# Altium PCB EDA-03518-V3-0_pcb.pcbdoc (part 10 of 14)
Units mm, origin at the board's own origin, x right, y up, seen from the top; angles counter-clockwise.
Board outline 220 x 230 mm, 8 copper layers (Top Layer, L2P, L3, L4P, L5P, L6, L7P, Bottom Layer), stack 2.18 mm thick; 1190 components, 1445 nets, 5955 pads, 2149 vias.
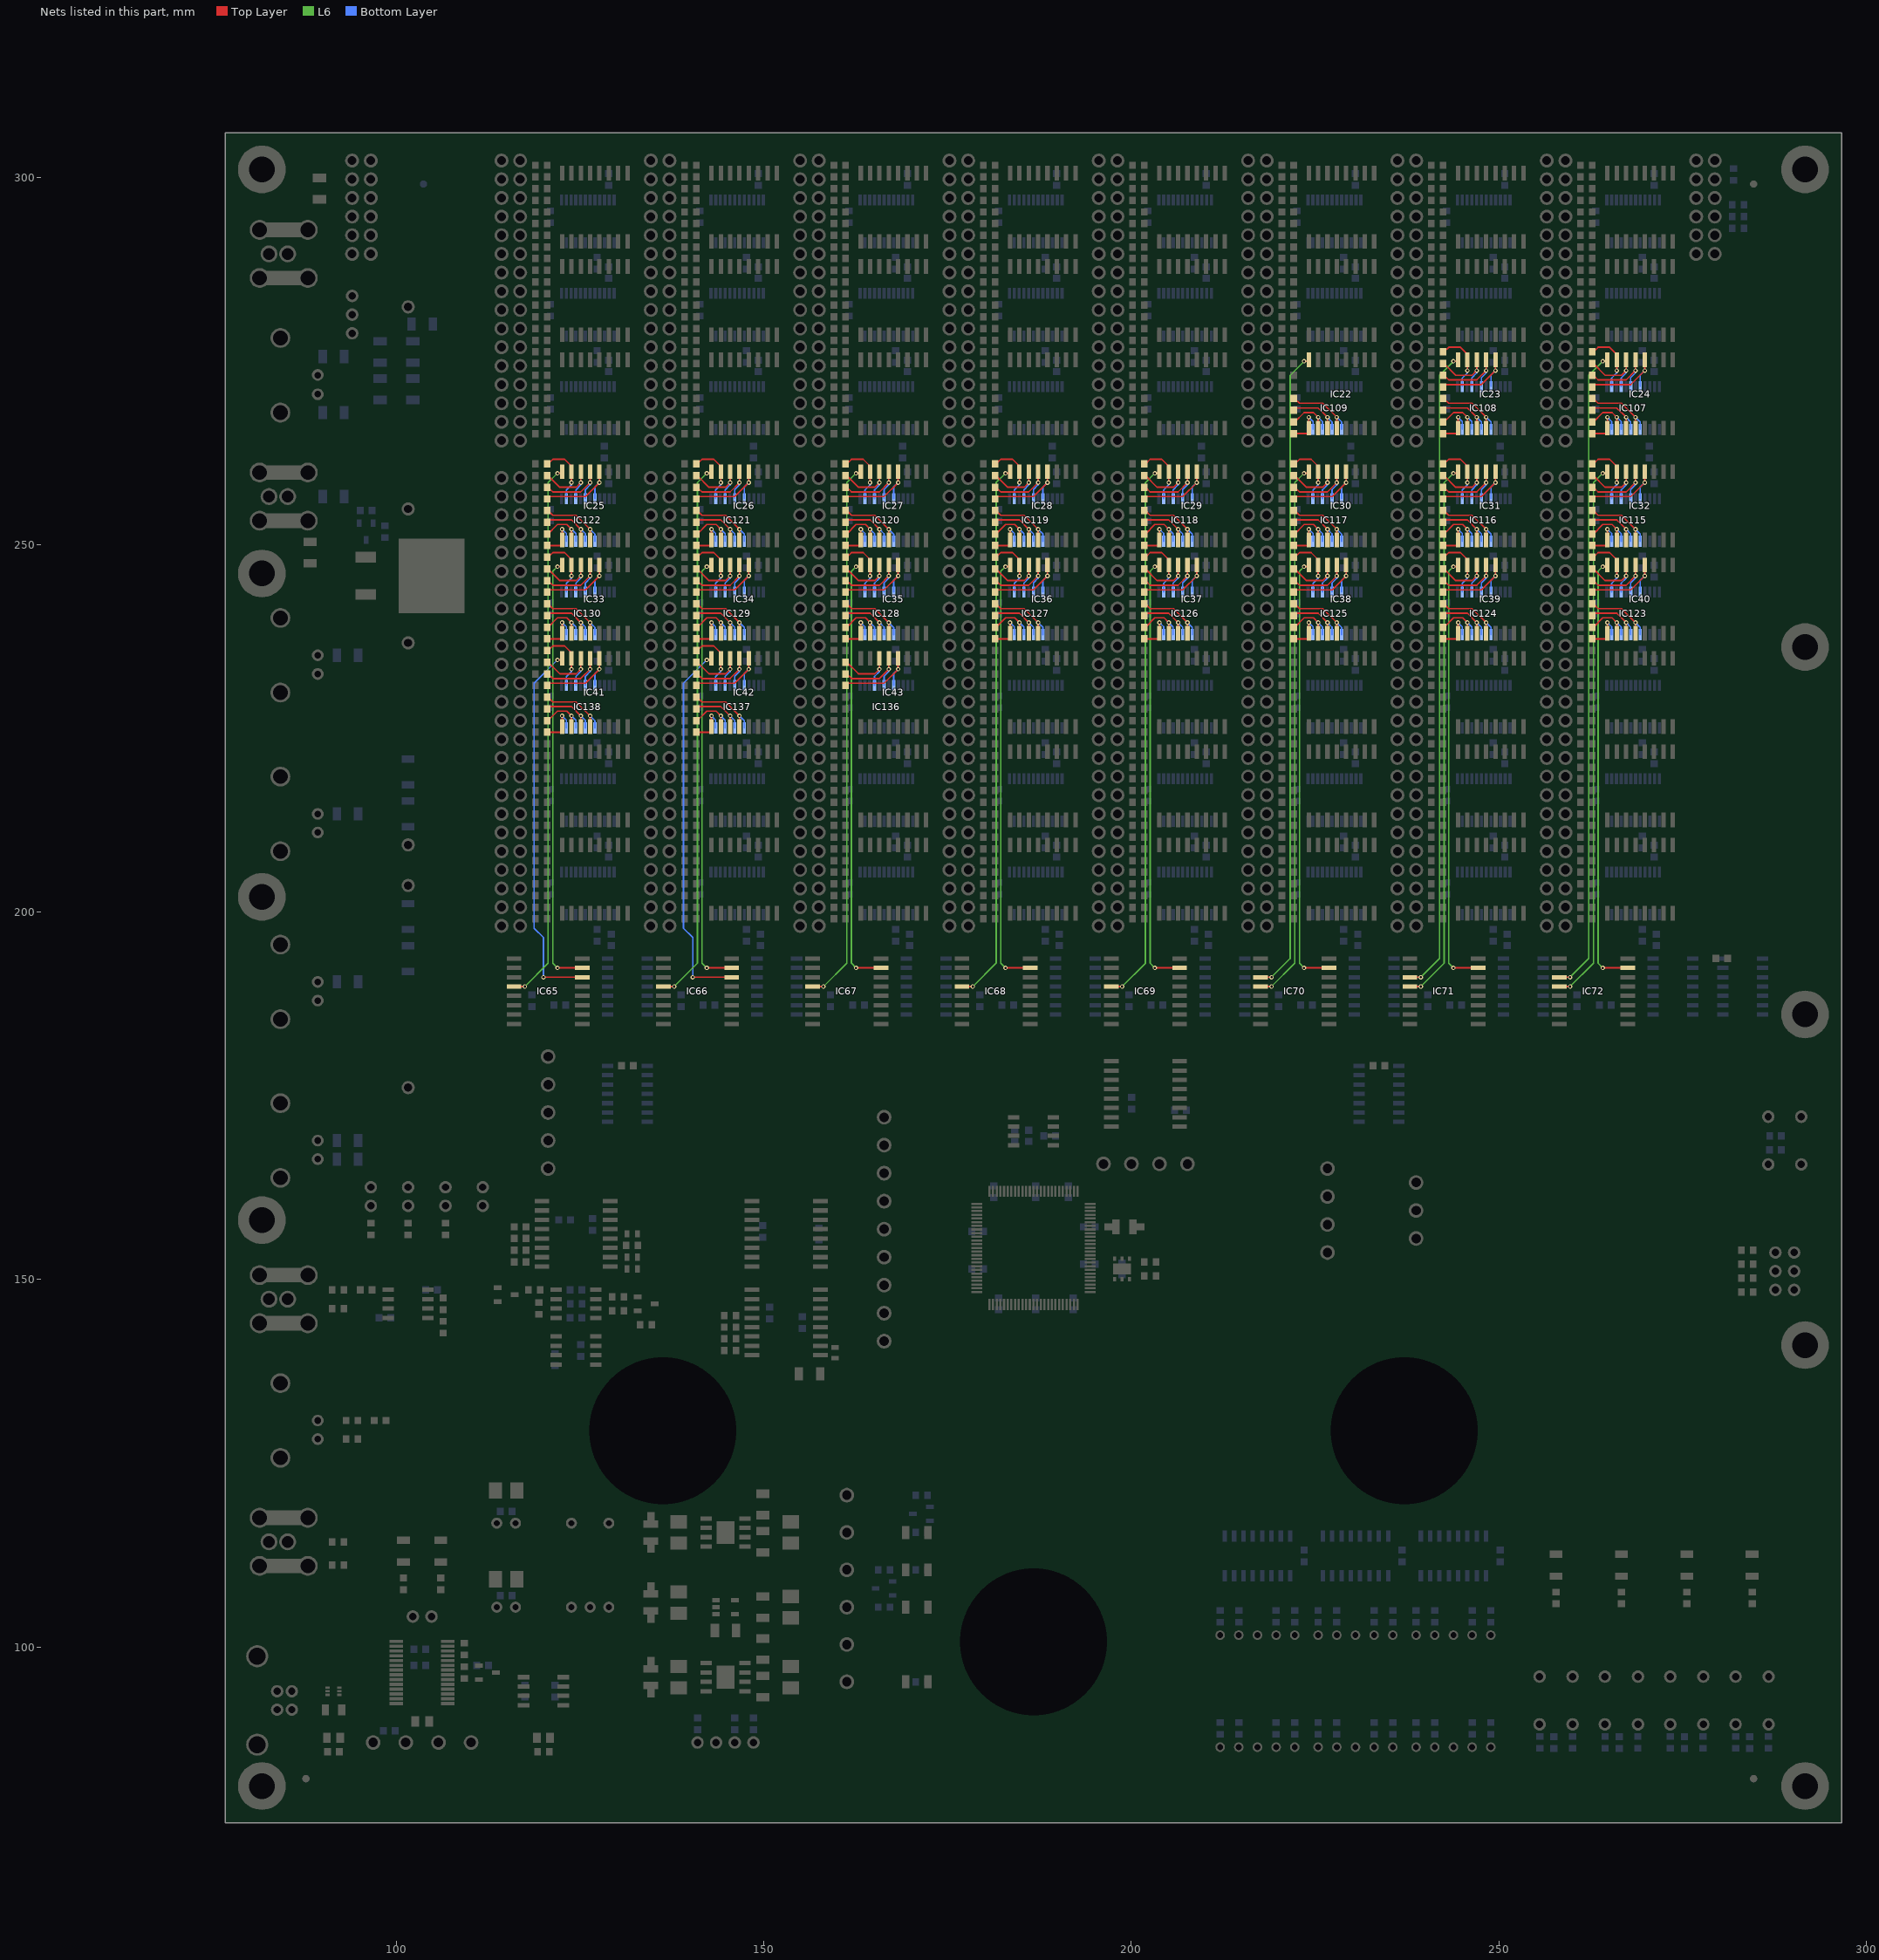
[diagram p16: the nets of this part, all layers, seen from the top]

## Via types
v1: diameter 0.6, hole 0.3, Top Layer to Bottom Layer, tented both sides, 1995 vias
v2: diameter 1, hole 0.5, Top Layer to Bottom Layer, tented both sides, 154 vias

## Nets (pads, with @x,y where several pads share a name; then routed paths per layer and width w, separated by ;. In a path a pad name is that pad's centre, name@x,y a point inside that pad or via, vN(x,y) a via of type N, cw(c..) or ccw(c..) an arc to the next point about the centre after c; other vN are vias at no path point) (continued)
NetIC22_8: IC22.8 IC70.11 | length 87.9
  Top Layer w0.203: IC70.11@217.6,191.135 v1(219.075,191.135) ; v1(223.52,274.955) 223.95,274.955 IC22.8@224.155,275.16
  L6 w0.203: v1(219.075,191.135) 221.615,193.675 221.615,273.05 v1(223.52,274.955)
NetIC22_9: IC22.9 IC109.11 R191.2 | length 6.1
  Top Layer w0.203: R191.2@222.098,265.113 224.155,265.113 IC22.9@224.155,265.86 v1(224.155,267.335)
  Bottom Layer w0.203: v1(224.155,267.335) 224.722,266.768 IC109.11@224.722,265.705
NetIC22_10: IC22.10 IC109.9 R183.2 | length 7.5
  Top Layer w0.203: R183.2@222.098,266.7 222.25,266.7 223.52,267.97 224.79,267.97 v1(225.425,267.335) IC22.10@225.425,265.86
  Bottom Layer w0.203: v1(225.425,267.335) 226.022,266.738 IC109.9@226.022,265.705
NetIC22_11: IC22.11 IC109.7 R175.2 | length 8.6
  Top Layer w0.203: R175.2@222.098,268.287 222.415,268.605 225.425,268.605 v1(226.695,267.335) IC22.11@226.695,265.86
  Bottom Layer w0.203: v1(226.695,267.335) 227.322,266.708 IC109.7@227.322,265.705
NetIC22_12: IC22.12 IC109.5 R167.2 | length 10.3
  Top Layer w0.203: R167.2@222.098,269.875 222.25,269.875 222.885,269.24 226.06,269.24 v1(227.965,267.335) IC22.12@227.965,265.86
  Bottom Layer w0.203: v1(227.965,267.335) 228.622,266.678 IC109.5@228.622,265.705
NetIC23_4: IC23.4 IC108.20 R160.2 | length 12
  Top Layer w0.203: R160.2@242.418,271.462 242.735,271.78 247.65,271.78 v1(249.555,273.685) IC23.4@249.555,275.16
  Bottom Layer w0.203: IC108.20@248.942,271.505 248.942,273.072 v1(249.555,273.685)
NetIC23_5: IC23.5 IC108.18 R152.2 | length 10.6
  Top Layer w0.203: R152.2@242.418,273.05 242.57,273.05 243.205,272.415 247.015,272.415 v1(248.285,273.685) IC23.5@248.285,275.16
  Bottom Layer w0.203: IC108.18@247.642,271.505 247.642,272.725 248.285,273.368 v1(248.285,273.685)
NetIC23_6: IC23.6 IC108.16 R144.2 | length 9.5
  Top Layer w0.203: R144.2@242.418,274.637 242.57,274.637 244.157,273.05 246.38,273.05 v1(247.015,273.685) IC23.6@247.015,275.16
  Bottom Layer w0.203: IC108.16@246.342,271.505 246.342,272.695 247.015,273.368 v1(247.015,273.685)
NetIC23_7: IC23.7 IC108.14 R136.2 | length 8.7
  Top Layer w0.203: R136.2@242.418,276.225 242.57,276.225 243.205,276.86 244.792,276.86 245.745,275.907 IC23.7@245.745,275.16 v1(245.745,273.685)
  Bottom Layer w0.203: IC108.14@245.042,271.505 245.042,272.665 245.745,273.368 v1(245.745,273.685)
NetIC23_8: IC23.8 IC71.11 | length 87.9
  Top Layer w0.203: IC71.11@237.92,191.135 v1(239.395,191.135) ; v1(243.84,274.955) 244.27,274.955 IC23.8@244.475,275.16
  L6 w0.203: v1(239.395,191.135) 241.935,193.675 241.935,273.05 v1(243.84,274.955)
NetIC23_9: IC23.9 IC108.11 R192.2 | length 6.1
  Top Layer w0.203: R192.2@242.418,265.113 244.475,265.113 IC23.9@244.475,265.86 v1(244.475,267.335)
  Bottom Layer w0.203: v1(244.475,267.335) 245.042,266.768 IC108.11@245.042,265.705
NetIC23_10: IC23.10 IC108.9 R184.2 | length 7.5
  Top Layer w0.203: R184.2@242.418,266.7 242.57,266.7 243.84,267.97 245.11,267.97 v1(245.745,267.335) IC23.10@245.745,265.86
  Bottom Layer w0.203: v1(245.745,267.335) 246.342,266.738 IC108.9@246.342,265.705
NetIC23_11: IC23.11 IC108.7 R176.2 | length 8.6
  Top Layer w0.203: R176.2@242.418,268.287 242.735,268.605 245.745,268.605 v1(247.015,267.335) IC23.11@247.015,265.86
  Bottom Layer w0.203: v1(247.015,267.335) 247.642,266.708 IC108.7@247.642,265.705
NetIC23_12: IC23.12 IC108.5 R168.2 | length 10.3
  Top Layer w0.203: R168.2@242.418,269.875 242.57,269.875 243.205,269.24 246.38,269.24 v1(248.285,267.335) IC23.12@248.285,265.86
  Bottom Layer w0.203: v1(248.285,267.335) 248.942,266.678 IC108.5@248.942,265.705
NetIC24_4: IC24.4 IC107.20 R161.2 | length 12
  Top Layer w0.203: R161.2@262.738,271.462 263.055,271.78 267.97,271.78 v1(269.875,273.685) IC24.4@269.875,275.16
  Bottom Layer w0.203: IC107.20@269.262,271.505 269.262,273.072 v1(269.875,273.685)
NetIC24_5: IC24.5 IC107.18 R153.2 | length 10.6
  Top Layer w0.203: R153.2@262.738,273.05 262.89,273.05 263.525,272.415 267.335,272.415 v1(268.605,273.685) IC24.5@268.605,275.16
  Bottom Layer w0.203: IC107.18@267.962,271.505 267.962,272.725 268.605,273.368 v1(268.605,273.685)
NetIC24_6: IC24.6 IC107.16 R145.2 | length 9.5
  Top Layer w0.203: R145.2@262.738,274.637 262.89,274.637 264.477,273.05 266.7,273.05 v1(267.335,273.685) IC24.6@267.335,275.16
  Bottom Layer w0.203: IC107.16@266.662,271.505 266.662,272.695 267.335,273.368 v1(267.335,273.685)
NetIC24_7: IC24.7 IC107.14 R137.2 | length 8.7
  Top Layer w0.203: R137.2@262.738,276.225 262.89,276.225 263.525,276.86 265.113,276.86 266.065,275.907 IC24.7@266.065,275.16 v1(266.065,273.685)
  Bottom Layer w0.203: IC107.14@265.362,271.505 265.362,272.665 266.065,273.368 v1(266.065,273.685)
NetIC24_8: IC24.8 IC72.11 | length 87.9
  Top Layer w0.203: IC72.11@258.24,191.135 v1(259.715,191.135) ; v1(264.16,274.955) 264.59,274.955 IC24.8@264.795,275.16
  L6 w0.203: v1(259.715,191.135) 262.255,193.675 262.255,273.05 v1(264.16,274.955)
NetIC24_9: IC24.9 IC107.11 R193.2 | length 6.1
  Top Layer w0.203: R193.2@262.738,265.113 264.795,265.113 IC24.9@264.795,265.86 v1(264.795,267.335)
  Bottom Layer w0.203: v1(264.795,267.335) 265.362,266.768 IC107.11@265.362,265.705
NetIC24_10: IC24.10 IC107.9 R185.2 | length 7.5
  Top Layer w0.203: R185.2@262.738,266.7 262.89,266.7 264.16,267.97 265.43,267.97 v1(266.065,267.335) IC24.10@266.065,265.86
  Bottom Layer w0.203: v1(266.065,267.335) 266.662,266.738 IC107.9@266.662,265.705
NetIC24_11: IC24.11 IC107.7 R177.2 | length 8.6
  Top Layer w0.203: R177.2@262.738,268.287 263.055,268.605 266.065,268.605 v1(267.335,267.335) IC24.11@267.335,265.86
  Bottom Layer w0.203: v1(267.335,267.335) 267.962,266.708 IC107.7@267.962,265.705
NetIC24_12: IC24.12 IC107.5 R169.2 | length 10.3
  Top Layer w0.203: R169.2@262.738,269.875 262.89,269.875 263.525,269.24 266.7,269.24 v1(268.605,267.335) IC24.12@268.605,265.86
  Bottom Layer w0.203: v1(268.605,267.335) 269.262,266.678 IC107.5@269.262,265.705
NetIC25_4: IC25.4 IC122.20 R218.2 | length 12
  Top Layer w0.203: R218.2@120.498,256.222 120.815,256.54 125.73,256.54 v1(127.635,258.445) IC25.4@127.635,259.92
  Bottom Layer w0.203: IC122.20@127.022,256.265 127.022,257.832 v1(127.635,258.445)
NetIC25_5: IC25.5 IC122.18 R210.2 | length 10.6
  Top Layer w0.203: R210.2@120.498,257.81 120.65,257.81 121.285,257.175 125.095,257.175 v1(126.365,258.445) IC25.5@126.365,259.92
  Bottom Layer w0.203: IC122.18@125.722,256.265 125.722,257.485 126.365,258.127 v1(126.365,258.445)
NetIC25_6: IC25.6 IC122.16 R202.2 | length 9.5
  Top Layer w0.203: R202.2@120.498,259.397 120.65,259.397 122.237,257.81 124.46,257.81 v1(125.095,258.445) IC25.6@125.095,259.92
  Bottom Layer w0.203: IC122.16@124.422,256.265 124.422,257.455 125.095,258.127 v1(125.095,258.445)
NetIC25_7: IC25.7 IC122.14 R194.2 | length 8.7
  Top Layer w0.203: R194.2@120.498,260.985 120.65,260.985 121.285,261.62 122.872,261.62 123.825,260.667 IC25.7@123.825,259.92 v1(123.825,258.445)
  Bottom Layer w0.203: IC122.14@123.122,256.265 123.122,257.425 123.825,258.127 v1(123.825,258.445)
NetIC25_8: IC25.8 IC65.12 | length 73.9
  Top Layer w0.203: IC65.12@116,189.865 v1(117.475,189.865) ; v1(121.92,259.715) 122.35,259.715 IC25.8@122.555,259.92
  L6 w0.203: v1(117.475,189.865) 120.65,193.04 120.65,258.445 v1(121.92,259.715)
NetIC25_9: IC25.9 IC122.11 R251.2 | length 6.1
  Top Layer w0.203: R251.2@120.498,249.873 122.555,249.873 IC25.9@122.555,250.62 v1(122.555,252.095)
  Bottom Layer w0.203: v1(122.555,252.095) 123.122,251.528 IC122.11@123.122,250.465
NetIC25_10: IC25.10 IC122.9 R242.2 | length 7.5
  Top Layer w0.203: R242.2@120.498,251.46 120.65,251.46 121.92,252.73 123.19,252.73 v1(123.825,252.095) IC25.10@123.825,250.62
  Bottom Layer w0.203: v1(123.825,252.095) 124.422,251.498 IC122.9@124.422,250.465
NetIC25_11: IC25.11 IC122.7 R234.2 | length 8.6
  Top Layer w0.203: R234.2@120.498,253.047 120.815,253.365 123.825,253.365 v1(125.095,252.095) IC25.11@125.095,250.62
  Bottom Layer w0.203: v1(125.095,252.095) 125.722,251.468 IC122.7@125.722,250.465
NetIC25_12: IC25.12 IC122.5 R226.2 | length 10.3
  Top Layer w0.203: R226.2@120.498,254.635 120.65,254.635 121.285,254 124.46,254 v1(126.365,252.095) IC25.12@126.365,250.62
  Bottom Layer w0.203: v1(126.365,252.095) 127.022,251.438 IC122.5@127.022,250.465
NetIC26_4: IC26.4 IC121.20 R219.2 | length 12
  Top Layer w0.203: R219.2@140.818,256.222 141.135,256.54 146.05,256.54 v1(147.955,258.445) IC26.4@147.955,259.92
  Bottom Layer w0.203: IC121.20@147.342,256.265 147.342,257.832 v1(147.955,258.445)
NetIC26_5: IC26.5 IC121.18 R211.2 | length 10.6
  Top Layer w0.203: R211.2@140.818,257.81 140.97,257.81 141.605,257.175 145.415,257.175 v1(146.685,258.445) IC26.5@146.685,259.92
  Bottom Layer w0.203: IC121.18@146.042,256.265 146.042,257.485 146.685,258.127 v1(146.685,258.445)
NetIC26_6: IC26.6 IC121.16 R203.2 | length 9.5
  Top Layer w0.203: R203.2@140.818,259.397 140.97,259.397 142.558,257.81 144.78,257.81 v1(145.415,258.445) IC26.6@145.415,259.92
  Bottom Layer w0.203: IC121.16@144.742,256.265 144.742,257.455 145.415,258.127 v1(145.415,258.445)
NetIC26_7: IC26.7 IC121.14 R195.2 | length 8.7
  Top Layer w0.203: R195.2@140.818,260.985 140.97,260.985 141.605,261.62 143.192,261.62 144.145,260.667 IC26.7@144.145,259.92 v1(144.145,258.445)
  Bottom Layer w0.203: IC121.14@143.442,256.265 143.442,257.425 144.145,258.127 v1(144.145,258.445)
NetIC26_8: IC26.8 IC66.12 | length 73.9
  Top Layer w0.203: IC66.12@136.32,189.865 v1(137.795,189.865) ; v1(142.24,259.715) 142.67,259.715 IC26.8@142.875,259.92
  L6 w0.203: v1(137.795,189.865) 140.97,193.04 140.97,258.445 v1(142.24,259.715)
NetIC26_9: IC26.9 IC121.11 R252.2 | length 6.1
  Top Layer w0.203: R252.2@140.818,249.873 142.875,249.873 IC26.9@142.875,250.62 v1(142.875,252.095)
  Bottom Layer w0.203: v1(142.875,252.095) 143.442,251.528 IC121.11@143.442,250.465
NetIC26_10: IC26.10 IC121.9 R243.2 | length 7.5
  Top Layer w0.203: R243.2@140.818,251.46 140.97,251.46 142.24,252.73 143.51,252.73 v1(144.145,252.095) IC26.10@144.145,250.62
  Bottom Layer w0.203: v1(144.145,252.095) 144.742,251.498 IC121.9@144.742,250.465
NetIC26_11: IC26.11 IC121.7 R235.2 | length 8.6
  Top Layer w0.203: R235.2@140.818,253.047 141.135,253.365 144.145,253.365 v1(145.415,252.095) IC26.11@145.415,250.62
  Bottom Layer w0.203: v1(145.415,252.095) 146.042,251.468 IC121.7@146.042,250.465
NetIC26_12: IC26.12 IC121.5 R227.2 | length 10.3
  Top Layer w0.203: R227.2@140.818,254.635 140.97,254.635 141.605,254 144.78,254 v1(146.685,252.095) IC26.12@146.685,250.62
  Bottom Layer w0.203: v1(146.685,252.095) 147.342,251.438 IC121.5@147.342,250.465
NetIC27_4: IC27.4 IC120.20 R220.2 | length 12
  Top Layer w0.203: R220.2@161.138,256.222 161.455,256.54 166.37,256.54 v1(168.275,258.445) IC27.4@168.275,259.92
  Bottom Layer w0.203: IC120.20@167.662,256.265 167.662,257.832 v1(168.275,258.445)
NetIC27_5: IC27.5 IC120.18 R212.2 | length 10.6
  Top Layer w0.203: R212.2@161.138,257.81 161.29,257.81 161.925,257.175 165.735,257.175 v1(167.005,258.445) IC27.5@167.005,259.92
  Bottom Layer w0.203: IC120.18@166.362,256.265 166.362,257.485 167.005,258.127 v1(167.005,258.445)
NetIC27_6: IC27.6 IC120.16 R204.2 | length 9.5
  Top Layer w0.203: R204.2@161.138,259.397 161.29,259.397 162.877,257.81 165.1,257.81 v1(165.735,258.445) IC27.6@165.735,259.92
  Bottom Layer w0.203: IC120.16@165.062,256.265 165.062,257.455 165.735,258.127 v1(165.735,258.445)
NetIC27_7: IC27.7 IC120.14 R196.2 | length 8.7
  Top Layer w0.203: R196.2@161.138,260.985 161.29,260.985 161.925,261.62 163.512,261.62 164.465,260.667 IC27.7@164.465,259.92 v1(164.465,258.445)
  Bottom Layer w0.203: IC120.14@163.762,256.265 163.762,257.425 164.465,258.127 v1(164.465,258.445)
NetIC27_8: IC27.8 IC67.12 | length 73.9
  Top Layer w0.203: IC67.12@156.64,189.865 v1(158.115,189.865) ; v1(162.56,259.715) 162.99,259.715 IC27.8@163.195,259.92
  L6 w0.203: v1(158.115,189.865) 161.29,193.04 161.29,258.445 v1(162.56,259.715)
NetIC27_9: IC27.9 IC120.11 R253.2 | length 6.1
  Top Layer w0.203: R253.2@161.138,249.873 163.195,249.873 IC27.9@163.195,250.62 v1(163.195,252.095)
  Bottom Layer w0.203: v1(163.195,252.095) 163.762,251.528 IC120.11@163.762,250.465
NetIC27_10: IC27.10 IC120.9 R244.2 | length 7.5
  Top Layer w0.203: R244.2@161.138,251.46 161.29,251.46 162.56,252.73 163.83,252.73 v1(164.465,252.095) IC27.10@164.465,250.62
  Bottom Layer w0.203: v1(164.465,252.095) 165.062,251.498 IC120.9@165.062,250.465
NetIC27_11: IC27.11 IC120.7 R236.2 | length 8.6
  Top Layer w0.203: R236.2@161.138,253.047 161.455,253.365 164.465,253.365 v1(165.735,252.095) IC27.11@165.735,250.62
  Bottom Layer w0.203: v1(165.735,252.095) 166.362,251.468 IC120.7@166.362,250.465
NetIC27_12: IC27.12 IC120.5 R228.2 | length 10.3
  Top Layer w0.203: R228.2@161.138,254.635 161.29,254.635 161.925,254 165.1,254 v1(167.005,252.095) IC27.12@167.005,250.62
  Bottom Layer w0.203: v1(167.005,252.095) 167.662,251.438 IC120.5@167.662,250.465
NetIC28_4: IC28.4 IC119.20 R221.2 | length 12
  Top Layer w0.203: R221.2@181.458,256.222 181.775,256.54 186.69,256.54 v1(188.595,258.445) IC28.4@188.595,259.92
  Bottom Layer w0.203: IC119.20@187.982,256.265 187.982,257.832 v1(188.595,258.445)
NetIC28_5: IC28.5 IC119.18 R213.2 | length 10.6
  Top Layer w0.203: R213.2@181.458,257.81 181.61,257.81 182.245,257.175 186.055,257.175 v1(187.325,258.445) IC28.5@187.325,259.92
  Bottom Layer w0.203: IC119.18@186.682,256.265 186.682,257.485 187.325,258.127 v1(187.325,258.445)
NetIC28_6: IC28.6 IC119.16 R205.2 | length 9.5
  Top Layer w0.203: R205.2@181.458,259.397 181.61,259.397 183.197,257.81 185.42,257.81 v1(186.055,258.445) IC28.6@186.055,259.92
  Bottom Layer w0.203: IC119.16@185.382,256.265 185.382,257.455 186.055,258.127 v1(186.055,258.445)
NetIC28_7: IC28.7 IC119.14 R197.2 | length 8.7
  Top Layer w0.203: R197.2@181.458,260.985 181.61,260.985 182.245,261.62 183.832,261.62 184.785,260.667 IC28.7@184.785,259.92 v1(184.785,258.445)
  Bottom Layer w0.203: IC119.14@184.082,256.265 184.082,257.425 184.785,258.127 v1(184.785,258.445)
NetIC28_8: IC28.8 IC68.12 | length 73.9
  Top Layer w0.203: IC68.12@176.96,189.865 v1(178.435,189.865) ; v1(182.88,259.715) 183.31,259.715 IC28.8@183.515,259.92
  L6 w0.203: v1(178.435,189.865) 181.61,193.04 181.61,258.445 v1(182.88,259.715)
NetIC28_9: IC28.9 IC119.11 R254.2 | length 6.1
  Top Layer w0.203: R254.2@181.458,249.873 183.515,249.873 IC28.9@183.515,250.62 v1(183.515,252.095)
  Bottom Layer w0.203: v1(183.515,252.095) 184.082,251.528 IC119.11@184.082,250.465
NetIC28_10: IC28.10 IC119.9 R245.2 | length 7.5
  Top Layer w0.203: R245.2@181.458,251.46 181.61,251.46 182.88,252.73 184.15,252.73 v1(184.785,252.095) IC28.10@184.785,250.62
  Bottom Layer w0.203: v1(184.785,252.095) 185.382,251.498 IC119.9@185.382,250.465
NetIC28_11: IC28.11 IC119.7 R237.2 | length 8.6
  Top Layer w0.203: R237.2@181.458,253.047 181.775,253.365 184.785,253.365 v1(186.055,252.095) IC28.11@186.055,250.62
  Bottom Layer w0.203: v1(186.055,252.095) 186.682,251.468 IC119.7@186.682,250.465
NetIC28_12: IC28.12 IC119.5 R229.2 | length 10.3
  Top Layer w0.203: R229.2@181.458,254.635 181.61,254.635 182.245,254 185.42,254 v1(187.325,252.095) IC28.12@187.325,250.62
  Bottom Layer w0.203: v1(187.325,252.095) 187.982,251.438 IC119.5@187.982,250.465
NetIC29_4: IC29.4 IC118.20 R222.2 | length 12
  Top Layer w0.203: R222.2@201.778,256.222 202.095,256.54 207.01,256.54 v1(208.915,258.445) IC29.4@208.915,259.92
  Bottom Layer w0.203: IC118.20@208.302,256.265 208.302,257.832 v1(208.915,258.445)
NetIC29_5: IC29.5 IC118.18 R214.2 | length 10.6
  Top Layer w0.203: R214.2@201.778,257.81 201.93,257.81 202.565,257.175 206.375,257.175 v1(207.645,258.445) IC29.5@207.645,259.92
  Bottom Layer w0.203: IC118.18@207.002,256.265 207.002,257.485 207.645,258.127 v1(207.645,258.445)
NetIC29_6: IC29.6 IC118.16 R206.2 | length 9.5
  Top Layer w0.203: R206.2@201.778,259.397 201.93,259.397 203.517,257.81 205.74,257.81 v1(206.375,258.445) IC29.6@206.375,259.92
  Bottom Layer w0.203: IC118.16@205.702,256.265 205.702,257.455 206.375,258.127 v1(206.375,258.445)
NetIC29_7: IC29.7 IC118.14 R198.2 | length 8.7
  Top Layer w0.203: R198.2@201.778,260.985 201.93,260.985 202.565,261.62 204.153,261.62 205.105,260.667 IC29.7@205.105,259.92 v1(205.105,258.445)
  Bottom Layer w0.203: IC118.14@204.402,256.265 204.402,257.425 205.105,258.127 v1(205.105,258.445)
NetIC29_8: IC29.8 IC69.12 | length 73.9
  Top Layer w0.203: IC69.12@197.28,189.865 v1(198.755,189.865) ; v1(203.2,259.715) 203.63,259.715 IC29.8@203.835,259.92
  L6 w0.203: v1(198.755,189.865) 201.93,193.04 201.93,258.445 v1(203.2,259.715)
NetIC29_9: IC29.9 IC118.11 R255.2 | length 6.1
  Top Layer w0.203: R255.2@201.778,249.873 203.835,249.873 IC29.9@203.835,250.62 v1(203.835,252.095)
  Bottom Layer w0.203: v1(203.835,252.095) 204.402,251.528 IC118.11@204.402,250.465
NetIC29_10: IC29.10 IC118.9 R246.2 | length 7.5
  Top Layer w0.203: R246.2@201.778,251.46 201.93,251.46 203.2,252.73 204.47,252.73 v1(205.105,252.095) IC29.10@205.105,250.62
  Bottom Layer w0.203: v1(205.105,252.095) 205.702,251.498 IC118.9@205.702,250.465
NetIC29_11: IC29.11 IC118.7 R238.2 | length 8.6
  Top Layer w0.203: R238.2@201.778,253.047 202.095,253.365 205.105,253.365 v1(206.375,252.095) IC29.11@206.375,250.62
  Bottom Layer w0.203: v1(206.375,252.095) 207.002,251.468 IC118.7@207.002,250.465
NetIC29_12: IC29.12 IC118.5 R230.2 | length 10.3
  Top Layer w0.203: R230.2@201.778,254.635 201.93,254.635 202.565,254 205.74,254 v1(207.645,252.095) IC29.12@207.645,250.62
  Bottom Layer w0.203: v1(207.645,252.095) 208.302,251.438 IC118.5@208.302,250.465
NetIC30_4: IC30.4 IC117.20 R223.2 | length 12
  Top Layer w0.203: R223.2@222.098,256.222 222.415,256.54 227.33,256.54 v1(229.235,258.445) IC30.4@229.235,259.92
  Bottom Layer w0.203: IC117.20@228.622,256.265 228.622,257.832 v1(229.235,258.445)
NetIC30_5: IC30.5 IC117.18 R215.2 | length 10.6
  Top Layer w0.203: R215.2@222.098,257.81 222.25,257.81 222.885,257.175 226.695,257.175 v1(227.965,258.445) IC30.5@227.965,259.92
  Bottom Layer w0.203: IC117.18@227.322,256.265 227.322,257.485 227.965,258.127 v1(227.965,258.445)
NetIC30_6: IC30.6 IC117.16 R207.2 | length 9.5
  Top Layer w0.203: R207.2@222.098,259.397 222.25,259.397 223.837,257.81 226.06,257.81 v1(226.695,258.445) IC30.6@226.695,259.92
  Bottom Layer w0.203: IC117.16@226.022,256.265 226.022,257.455 226.695,258.127 v1(226.695,258.445)
NetIC30_7: IC30.7 IC117.14 R199.2 | length 8.7
  Top Layer w0.203: R199.2@222.098,260.985 222.25,260.985 222.885,261.62 224.472,261.62 225.425,260.667 IC30.7@225.425,259.92 v1(225.425,258.445)
  Bottom Layer w0.203: IC117.14@224.722,256.265 224.722,257.425 225.425,258.127 v1(225.425,258.445)
NetIC30_8: IC30.8 IC70.12 | length 73.9
  Top Layer w0.203: IC70.12@217.6,189.865 v1(219.075,189.865) ; v1(223.52,259.715) 223.95,259.715 IC30.8@224.155,259.92
  L6 w0.203: v1(219.075,189.865) 222.25,193.04 222.25,258.445 v1(223.52,259.715)
NetIC30_9: IC30.9 IC117.11 R256.2 | length 6.1
  Top Layer w0.203: R256.2@222.098,249.873 224.155,249.873 IC30.9@224.155,250.62 v1(224.155,252.095)
  Bottom Layer w0.203: v1(224.155,252.095) 224.722,251.528 IC117.11@224.722,250.465
NetIC30_10: IC30.10 IC117.9 R247.2 | length 7.5
  Top Layer w0.203: R247.2@222.098,251.46 222.25,251.46 223.52,252.73 224.79,252.73 v1(225.425,252.095) IC30.10@225.425,250.62
  Bottom Layer w0.203: v1(225.425,252.095) 226.022,251.498 IC117.9@226.022,250.465
NetIC30_11: IC30.11 IC117.7 R239.2 | length 8.6
  Top Layer w0.203: R239.2@222.098,253.047 222.415,253.365 225.425,253.365 v1(226.695,252.095) IC30.11@226.695,250.62
  Bottom Layer w0.203: v1(226.695,252.095) 227.322,251.468 IC117.7@227.322,250.465
NetIC30_12: IC30.12 IC117.5 R231.2 | length 10.3
  Top Layer w0.203: R231.2@222.098,254.635 222.25,254.635 222.885,254 226.06,254 v1(227.965,252.095) IC30.12@227.965,250.62
  Bottom Layer w0.203: v1(227.965,252.095) 228.622,251.438 IC117.5@228.622,250.465